# KiCad board Eclipse60 - Copy.kicad_pcb (continued)
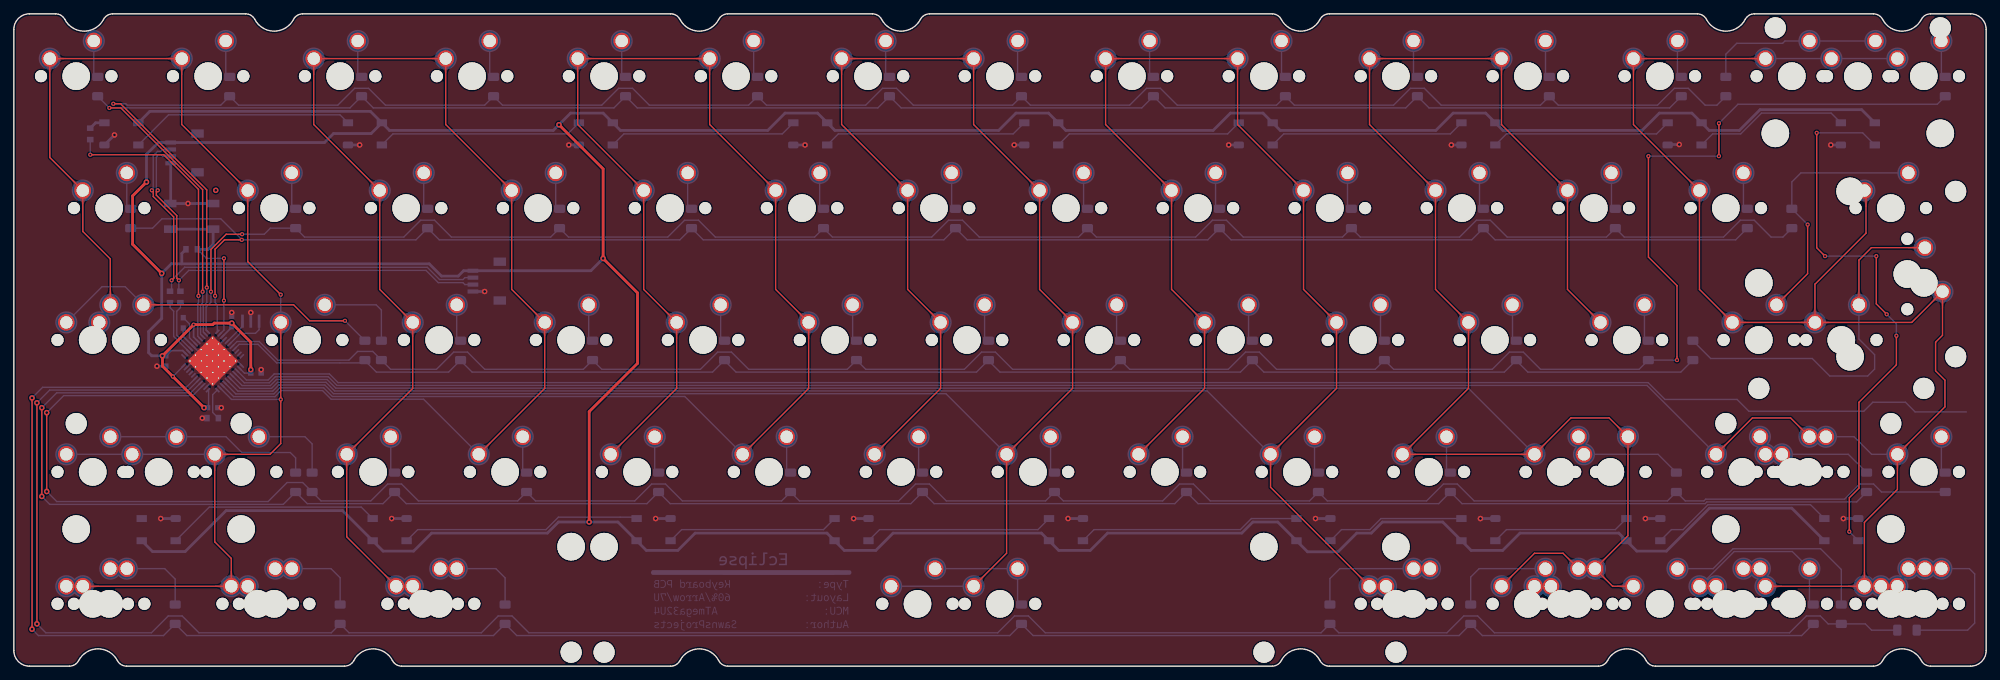
[diagram p0: board, top side]
## Nets (continued)
Net-(RGB10-Pad2): RGB10.2
Net-(RGB10-Pad4): RGB10.4 RGB11.2
Net-(RGB11-Pad4): RGB11.4 RGB12.2
Net-(RGB12-Pad4): RGB12.4 RGB13.2
Net-(RGB13-Pad4): RGB13.4 RGB14.2
Net-(RGB14-Pad4): RGB14.4 RGB15.2
Net-(RGB15-Pad4): RGB15.4 RGB16.2
Net-(RGB16-Pad4): RGB16.4 RGB17.2
Net-(RGB17-Pad4): RGB17.4 RGB18.2
Net-(RGB18-Pad4): RGB9.2 RGB18.4
Net-(U1-Pad1): U1.1
Net-(U1-Pad16): U1.16 Y1.3
Net-(U1-Pad17): U1.17 Y1.1
Net-(U1-Pad20): U1.20
Net-(U1-Pad21): U1.21
Net-(U1-Pad22): U1.22
Net-(U1-Pad25): U1.25
Net-(U1-Pad40): U1.40
Net-(U1-Pad41): U1.41
Net-(U1-Pad42): U1.42

## Via types
v1: diameter 0.8, hole 0.4, Top to Bottom, 44 vias
v2: diameter 0.6, hole 0.3, Top to Bottom, 32 vias

## Routing (per net, layer and track width the routed paths; a pad name or vN(x,y) marks a point on that pad's centre or on a via; arc(x,y) is an arc through that point)
+5V: length 787
  Top w0.4: v1(19.14,69.92) 17.14,67.92 17.14,60.92 v1(21.34,56.72) ; v1(78.68,78.19) 85.06,71.81 v1(85.06,58.87) 90.03,53.91 90.03,43.72 83.05,36.75 v1(83.05,20.82) ; v1(27.45,37.32) v2(22.95,41.82) 21.45,43.32 v1(21.45,44.82) v2(25.95,49.32) 28.7,49.32 28.92,49.54 v1(31.45,49.54) 34.2,46.79 v1(34.2,42.82)
  Bottom w0.2: 28.11,39.94 28.11,37.23 ; C3.2 33.28,42.32 U1.24 ; 24.57,43.48 24.57,43.44 v2(22.95,41.82)
  Bottom w0.25: C5.2 v1(31.45,49.54) ; U1.14 31.45,48.94 ; C2.2 22.7,45.57 24.37,45.57 24.93,45.01 ; 26.69,46.78 25.95,47.53 v2(25.95,49.32)
  Bottom w0.4: 24.24,58.1 59.96,58.1 61.73,56.33 64.14,56.33 64.92,57.1 J1.1 83.29,57.1 v1(85.06,58.87) ; 24.24,58.1 24.24,59.6 R4.1 ; 24.24,58.1 22.73,58.1 v1(21.34,56.72) 21.34,50.21 19.45,48.32 19.45,45.27 19.9,44.82 v1(21.45,44.82) C2.2 ; RGB10.1 20.02,16.55 24.73,16.55 30.64,22.47 47.44,22.47 RGB11.1 53.29,16.62 57.71,16.62 60.31,19.22 77.01,19.22 78.61,20.82 v1(83.05,20.82) 87.19,20.82 RGB12.1 91.29,16.72 95.84,16.72 98.34,19.22 117.37,19.22 RGB13.1 119.87,16.72 124.42,16.72 126.92,19.22 148.33,19.22 RGB14.1 150.83,16.72 155.38,16.72 157.87,19.22 177.25,19.22 178.85,20.82 182.44,20.82 RGB15.1 186.74,16.52 191.14,16.52 193.84,19.22 195.95,19.22 197.55,20.82 206.26,20.82 RGB16.1 210.36,16.72 214.91,16.72 217.41,19.22 231.67,19.22 RGB17.1 234.27,16.62 238.55,16.62 244.75,22.82 256.64,22.82 RGB18.1 ; v1(34.2,42.82) C3.2 ; v1(19.14,69.92) 19.14,73.92 20.84,75.62 J2.1 44.84,75.62 46.14,76.92 51.57,76.92 RGB2.1 ; C4.2 v1(27.45,37.32) ; RGB2.1 51.47,80.12 19.62,80.12 RGB1.1 ; RGB2.1 54.22,77.37 77.86,77.37 v1(78.68,78.19) 80.36,79.87 85.06,79.87 RGB3.1 87.56,77.37 108.82,77.37 111.32,79.87 116.02,79.87 RGB4.1 118.52,77.37 142.16,77.37 144.66,79.87 149.35,79.87 RGB5.1 151.85,77.37 173.11,77.37 175.61,79.87 180.31,79.87 RGB6.1 182.81,77.37 205.26,77.37 207.76,79.87 212.46,79.87 RGB7.1 214.96,77.37 235.03,77.37 237.53,79.87 242.22,79.87 RGB8.1 244.72,77.37 249.07,77.37 252.07,80.37 266.72,80.37 RGB9.1
GND: length 76.3
  Bottom w0.2: U1.43 25.87,44.07 U1.45 ; U1.45 28.7,41.24 U1.35 ; U1.45 32.24,44.07 U1.23 ; U1.45 28.7,45.48 U1.15 ; U1.45 27.99,44.07 U1.5
  Bottom w0.25: 25.99,46.08 24.45,47.61 C1.2
  Bottom w0.3: Y1.2 v1(34.2,51.07) ; C5.1 v1(31.45,51.07)
  Bottom w0.4: RGB9.3 v1(262.28,75.27) ; RGB7.3 v1(207.51,75.27) ; RGB6.3 v1(175.36,75.27) ; RGB5.3 v1(144.4,75.27) ; RGB3.3 v1(80.11,75.27) ; SW1.1 v1(25.14,66.81) SW1.1 ; RGB2.3 v1(49.91,75.27) ; RGB18.3 v1(264.09,21.32) ; RGB17.3 v1(235.52,21.32) ; RGB16.3 v1(211.7,21.32) ; RGB15.3 v1(187.89,21.32) ; RGB14.3 v1(152.17,21.32) ; RGB13.3 v1(121.22,21.32) ; RGB12.3 v1(92.64,21.32) ; RGB10.3 v1(21.2,21.32) ; 238.71,75.33 v1(240.4,75.33) ; RGB4.3 v1(114.21,75.27) ; C2.1 v1(20.65,43.32) ; J2.4 22.64,66.62 ; C4.1 v1(29.95,37.32) ; C3.1 v1(35.7,42.82) ; RGB1.3 v1(14.53,76.72) ; J1.4 v1(67.96,54.1) ; 27.88,35.82 v1(27.2,35.82) ; RGB11.3 v1(54.54,21.32)
(no net):
  vias: v1(29.14,68.72)
/M+: length 7.8
  Bottom w0.2: U1.4 25.53,45.79 23.52,47.8 23.52,51.25 24.04,51.78 R2.1 ; 25.6,45.72 25.63,45.72
/M-: length 8.2
  Bottom w0.2: 25.28,45.4 25.28,45.37 ; U1.3 25.21,45.47 23.07,47.61 23.07,51.25 22.54,51.78 R3.2
C0: length 202.3
  Top w0.2: MX80.1 MX67.1 31.38,15.57 29,17.95 MX50.1 36.97,30.59 38.53,32.15 v2(38.53,38.52) MX34.1 ; MX65.2 13.92,58.8 9.95,62.77 MX17.1 5.19,73.45 MX1.1 MX2.1 24.24,78.21 MX18.1 33.77,58.41 v2(38.53,53.65)
  Bottom w0.2: MX49.1 MX31.1 MX50.1 ; U1.32 31.42,38.52 v2(38.53,38.52) ; MX34.1 v2(38.53,53.65)
C1: length 217
  Top w0.2: MX68.1 48.05,18.68 MX51.1 57.58,40.11 MX35.1 52.82,54.4 52.82,68.69 43.29,78.21 MX3.1 MX4.1 62.34,78.21 MX20.1 71.87,54.4 MX36.1 76.63,40.11 MX52.1
  Bottom w0.2: MX52.1 59.15,38.54 45.81,38.54 44.56,39.79 38.57,39.79 37.69,38.92 31.73,38.92 U1.31
C2: length 232.9
  Top w0.2: MX53.1 95.68,40.11 MX37.1 90.92,54.4 MX21.1 81.39,78.21 MX5.1 MX6.1 100.44,78.21 MX22.1 109.97,54.4 MX38.1 114.73,40.11 MX54.1
  Bottom w0.2: MX54.1 96.85,38.94 45.97,38.94 44.72,40.19 38.4,40.19 37.53,39.32 32.04,39.32 U1.30
C3: length 303.7
  Top w0.2: MX79.1 143.3,16.3 MX56.1 152.83,40.11 MX40.1 148.07,54.4 MX24.1 138.54,78.21 MX8.1 MX7.1 119.49,78.21 MX23.1 129.02,54.4 MX39.1 133.78,40.11 MX55.1
  Bottom w0.2: MX56.1 134.55,39.34 46.14,39.34 44.89,40.59 38.24,40.59 37.36,39.72 32.34,39.72 U1.29 ; MX70.1 MX79.1
C4: length 333.6
  Top w0.2: MX57.1 171.88,40.11 MX41.1 167.12,54.4 MX25.1 157.59,78.21 MX9.1 MX10.1 176.64,78.21 MX26.1 186.17,54.4 MX42.1 190.93,40.11 MX58.1 181.4,25.83 MX16.1
  Bottom w0.2: MX58.1 172.25,39.74 46.31,39.74 45.06,40.99 38.07,40.99 37.2,40.12 32.65,40.12 U1.28
C5: length 401
  Top w0.2: MX32.1 219.5,16.3 223.63,16.3 MX61.2 ; MX44.1 224.27,54.4 MX28.1 214.74,78.21 MX12.1 MX11.1 195.69,78.21 MX27.1 205.22,54.4 MX43.1 209.98,40.11 MX59.1 MX60.1 224.76,35.85 230.28,35.85 MX47.2 233,18.84 MX69.2 230.77,11.54 MX48.1
  Bottom w0.2: U1.27 32.96,40.52 37.03,40.52 37.91,41.39 45.22,41.39 46.47,40.14 209.95,40.14 MX60.1
C6: length 446.6
  Top w0.2: MX14.1 MX13.1 233.79,78.21 MX29.1 243.32,54.4 MX83.1 MX45.1 ; MX45.1 273.95,49.64 MX84.2 278.4,47.77 277.4,46.77 277.4,42.65 278.75,41.3 278.75,37.45 MX63.1 271.89,25.51 267.13,20.75 MX78.1 MX72.1 ; MX45.1 259.98,55.16 267.36,62.53 267.36,68.69 ; MX75.2 256.47,35.85 250.96,35.85 MX62.1
  Bottom w0.2: MX76.2 265.63,33.13 268.17,30.59 MX63.1 ; MX15.1 MX46.1 MX14.1 ; U1.26 33.26,40.92 36.87,40.92 37.74,41.79 45.39,41.79 46.64,40.54 235.74,40.54 MX62.1
D+: length 67.2
  Top w0.2: v2(20.77,68.72) 20.57,68.52 20.57,68.01 23.52,65.06 23.52,56.02 v2(23.82,55.72)
  Bottom w0.2: J2.3 21.48,73.62 21.2,73.89 20.94,73.89 20.57,73.52 20.57,68.92 v2(20.77,68.72) ; R2.2 23.82,54.37 v2(23.82,55.72) 25.25,57.15 59.49,57.15 61.26,55.38 64.83,55.38 65.11,55.1 J1.3
D-: length 69.2
  Top w0.2: v2(22.77,55.72) 23.07,56.02 23.07,64.87 20.12,67.82 20.12,68.52 v2(19.92,68.72)
  Bottom w0.2: J2.2 21.48,74.62 21.2,74.34 20.75,74.34 20.12,73.71 20.12,68.92 v2(19.92,68.72) ; R3.1 22.77,54.37 v2(22.77,55.72) 24.65,57.6 59.68,57.6 61.45,55.83 64.83,55.83 65.11,56.1 J1.2
R0: length 276.9
  Top w0.2: v2(13.78,80.62) 15.44,80.62 27.25,68.81 v2(27.25,54.07)
  Bottom w0.2: D13.1 239.01,80.62 204.28,80.62 D11.1 200.91,80.62 166.18,80.62 D9.1 162.81,80.62 128.08,80.62 D7.1 124.71,80.62 89.98,80.62 D5.1 86.61,80.62 51.88,80.62 D3.1 48.51,80.62 v2(13.78,80.62) D1.1 ; U1.9 26.95,47.94 26.95,52.2 27.25,52.5 v2(27.25,54.07)
R1: length 291.7
  Top w0.2: v2(27.85,54.67) 27.85,68.78 15.41,81.22 v2(14.35,81.22)
  Bottom w0.2: D14.1 245.84,81.02 244.13,81.02 241.7,83.45 239.7,83.45 237.26,81.02 222.93,81.02 D12.1 220.36,81.02 206.03,81.02 203.6,83.45 201.6,83.45 199.16,81.02 184.83,81.02 D10.1 182.26,81.02 167.93,81.02 165.5,83.45 163.5,83.45 161.06,81.02 146.73,81.02 D8.1 144.16,81.02 129.83,81.02 127.4,83.45 125.4,83.45 122.96,81.02 108.63,81.02 D6.1 106.06,81.02 91.73,81.02 89.3,83.45 87.3,83.45 84.86,81.02 70.53,81.02 D4.1 67.96,81.02 53.63,81.02 51.2,83.45 49.2,83.45 46.76,81.02 32.43,81.02 D2.1 29.86,81.02 16.36,81.02 16.16,81.22 v2(14.35,81.22) ; v2(27.85,54.67) 27.85,52.53 27.35,52.03 27.35,48.25 U1.10
R2: length 259.4
  Top w0.2: v2(29.05,53.47) 29.05,60.22 30.4,61.57 v2(32.91,61.57)
  Bottom w0.2: D29.1 248.54,61.57 213.81,61.57 D27.1 210.44,61.57 175.71,61.57 D25.1 172.34,61.57 137.61,61.57 D23.1 134.24,61.57 99.51,61.57 D21.1 96.14,61.57 61.41,61.57 D19.1 58.04,61.57 v2(32.91,61.57) 29.88,64.6 21.38,64.6 20.03,63.25 D17.1 ; v2(29.05,53.47) 29.05,52.52 29.36,52.21 U1.12
R3: length 260.3
  Top w0.2: v2(32.95,62.38) 30.64,62.38 28.45,60.18 v2(28.45,54.07)
  Bottom w0.2: v2(28.45,54.07) 28.45,52.57 27.75,51.87 27.75,48.55 U1.11 ; v2(32.95,62.38) 36.15,62.38 37.03,63.25 D18.1 41.96,61.97 56.29,61.97 58.72,64.4 60.72,64.4 63.16,61.97 77.49,61.97 D20.1 80.06,61.97 94.39,61.97 96.82,64.4 98.82,64.4 101.26,61.97 115.59,61.97 D22.1 118.16,61.97 132.49,61.97 134.92,64.4 136.92,64.4 139.36,61.97 153.69,61.97 D24.1 156.26,61.97 170.59,61.97 173.02,64.4 175.02,64.4 177.46,61.97 191.79,61.97 D26.1 194.36,61.97 208.69,61.97 211.12,64.4 213.12,64.4 215.56,61.97 229.89,61.97 D28.1 232.46,61.97 246.79,61.97 249.22,64.4 251.22,64.4 253.66,61.97 255.37,61.97 D30.1
R4: length 220.5
  Bottom w0.2: 216.86,44.15 218.54,42.47 240.63,42.47 D45.1 ; 64.46,44.15 66.14,42.47 100.85,42.47 D37.1 ; 50.65,44.15 52.33,42.47 62.75,42.47 D35.1 ; 102.56,44.15 104.24,42.47 138.95,42.47 D39.1 ; 140.66,44.15 142.34,42.47 177.05,42.47 D41.1 ; 178.76,44.15 180.44,42.47 215.15,42.47 D43.1 ; U1.19 32.53,46.48 35.24,46.48 37.93,43.79 50.58,43.79
R5: length 307.2
  Top w0.2: v2(240.08,44.2) 240.08,54.95 235.95,59.07 v2(235.95,73.65) ; v2(246.13,78.4) v2(246.13,73.65)
  Bottom w0.2: D15.1 277.65,81.15 248.88,81.15 v2(246.13,78.4) ; U1.18 32.22,46.88 35.41,46.88 38.1,44.19 48.37,44.19 49.63,45.45 51.8,45.45 D34.1 54.39,42.87 61,42.87 63.49,45.35 65.49,45.35 67.97,42.87 82.2,42.87 D36.1 84.87,42.87 99.1,42.87 101.59,45.35 103.59,45.35 106.07,42.87 120.3,42.87 D38.1 122.97,42.87 137.2,42.87 139.69,45.35 141.69,45.35 144.17,42.87 158.4,42.87 D40.1 161.07,42.87 175.3,42.87 177.79,45.35 179.79,45.35 182.27,42.87 196.5,42.87 D42.1 199.17,42.87 213.4,42.87 215.89,45.35 217.89,45.35 220.37,42.87 234.6,42.87 D44.1 v2(240.08,44.2) ; v2(246.13,73.65) v2(235.95,73.65)
R6: length 310.2
  Top w0.2: v1(4.04,37.32) v1(4.04,24.51)
  Bottom w0.2: v1(4.04,24.51) 5.18,23.37 38.89,23.37 D49.1 42.36,23.47 53.28,23.47 D51.1 56.65,23.47 91.38,23.47 D53.1 94.75,23.47 129.48,23.47 D55.1 132.85,23.47 167.58,23.47 D57.1 170.95,23.47 205.68,23.47 D59.1 209.05,23.47 244.13,23.47 244.38,23.72 266.01,23.72 D62.1 ; U1.37 25.51,39.47 6.18,39.47 v1(4.04,37.32)
R7: length 329.4
  Top w0.2: v1(4.74,36.62) v1(4.74,25.22)
  Bottom w0.2: v1(4.74,36.62) 7.2,39.07 25.82,39.07 U1.36 ; D63.1 269.6,25.15 268.45,26.3 266.45,26.3 264.26,24.12 244.21,24.12 243.96,23.87 241.27,23.87 D60.1 238.7,23.87 210.8,23.87 208.36,26.3 206.36,26.3 203.93,23.87 189.6,23.87 D58.1 187.03,23.87 172.7,23.87 170.26,26.3 168.26,26.3 165.83,23.87 151.5,23.87 D56.1 148.93,23.87 134.6,23.87 132.16,26.3 130.16,26.3 127.73,23.87 113.4,23.87 D54.1 110.83,23.87 96.5,23.87 94.06,26.3 92.06,26.3 89.63,23.87 75.3,23.87 D52.1 72.73,23.87 58.4,23.87 55.96,26.3 53.96,26.3 51.53,23.87 44.34,23.87 D50.1 41.69,26.52 39.44,26.52 36.69,23.77 6.19,23.77 v1(4.74,25.22)
R8: length 322
  Top w0.2: v1(2.62,38.74) v1(2.62,5.34)
  Bottom w0.2: v1(2.62,38.74) 4.15,40.27 24.9,40.27 U1.39 ; D71.1 258.06,4.42 211.98,4.42 D68.1 208.61,4.42 147.13,4.42 D69.1 143.76,4.42 72.6,4.42 D67.1 69.23,4.42 24.97,4.42 D65.1 21.6,4.42 3.54,4.42 v1(2.62,5.34)
R9: length 337.7
  Top w0.2: v1(3.33,38.03) v1(3.33,6.1)
  Bottom w0.2: v1(3.33,38.03) 5.17,39.87 25.21,39.87 U1.38 ; v1(3.33,6.1) 4.62,4.82 19.85,4.82 22.29,7.25 24.29,7.25 26.72,4.82 45.82,4.82 D66.1 48.38,4.82 67.48,4.82 69.91,7.25 71.91,7.25 74.35,4.82 142.01,4.82 144.45,7.25 146.45,7.25 148.88,4.82 188.69,4.82 D16.1 191.26,4.82 206.86,4.82 209.3,7.25 211.3,7.25 213.73,4.82 256.31,4.82 258.75,7.25 260.75,7.25 261.9,6.1 D70.1 267.26,6.1 268.16,5.2 D72.1
RGB: length 2.4
  Bottom w0.4: RGB1.4 11.8,78.47 R5.2
Net-(C1-Pad1): length 4.7
  Bottom w0.2: C1.1 25.35,49.42 25.35,47.42 26.34,46.43
Net-(D1-Pad2): length 5.3
  Bottom w0.2: MX1.2 11.54,85.02
Net-(D2-Pad2): length 5.3
  Bottom w0.2: MX2.2 30.59,85.02
Net-(D3-Pad2): length 5.3
  Bottom w0.2: MX3.2 49.64,85.02
Net-(D4-Pad2): length 5.3
  Bottom w0.2: MX4.2 68.69,85.02
Net-(D5-Pad2): length 5.3
  Bottom w0.2: MX5.2 87.74,85.02
Net-(D6-Pad2): length 5.3
  Bottom w0.2: MX6.2 106.79,85.02
Net-(D7-Pad2): length 5.3
  Bottom w0.2: MX7.2 125.84,85.02
Net-(D8-Pad2): length 5.3
  Bottom w0.2: MX8.2 144.89,85.02
Net-(D9-Pad2): length 5.3
  Bottom w0.2: MX9.2 163.94,85.02
Net-(D10-Pad2): length 5.3
  Bottom w0.2: MX10.2 182.99,85.02
Net-(D11-Pad2): length 5.3
  Bottom w0.2: MX11.2 202.04,85.02
Net-(D12-Pad2): length 5.3
  Bottom w0.2: MX12.2 221.09,85.02
Net-(D13-Pad2): length 5.3
  Bottom w0.2: MX13.2 240.14,85.02
Net-(D14-Pad2): length 25.7
  Bottom w0.2: MX46.2 MX14.2 255.65,90.28 255.32,89.95 248.7,89.95 247.13,88.38 D14.2
Net-(D15-Pad2): length 5.3
  Bottom w0.2: MX15.2 278.24,85.02
Net-(D16-Pad2): length 16.4
  Bottom w0.2: MX16.2 191.41,14.08 189.98,12.65 D16.2
Net-(D17-Pad2): length 5.3
  Bottom w0.2: MX17.2 16.3,65.96
Net-(D18-Pad2): length 5
  Bottom w0.2: MX18.2 40.12,66.24
Net-(D19-Pad2): length 5
  Bottom w0.2: MX19.2 59.17,66.24
Net-(D20-Pad2): length 5
  Bottom w0.2: MX20.2 78.22,66.24
Net-(D21-Pad2): length 5
  Bottom w0.2: 97.27,71.23 97.27,66.24
Net-(D22-Pad2): length 5
  Bottom w0.2: MX22.2 116.32,66.24
Net-(D23-Pad2): length 5
  Bottom w0.2: MX23.2 135.37,66.24
Net-(D24-Pad2): length 5
  Bottom w0.2: MX24.2 154.42,66.24
Net-(D25-Pad2): length 5
  Bottom w0.2: MX25.2 173.47,66.24
Net-(D26-Pad2): length 5
  Bottom w0.2: 192.52,71.23 192.52,66.24
Net-(D27-Pad2): length 5
  Bottom w0.2: MX27.2 211.57,66.24
Net-(D28-Pad2): length 5
  Bottom w0.2: 230.62,71.23 230.62,66.24
Net-(D29-Pad2): length 5
  Bottom w0.2: 249.67,71.23 249.67,66.24
Net-(D30-Pad2): length 37.9
  Top w0.2: MX83.2 258.93,56.68 v2(258.93,63.77)
  Bottom w0.2: v2(258.93,63.77) D30.2 256.65,69.92 257.96,71.23 MX30.2
Net-(D33-Pad2): length 48.5
  Top w0.2: MX33.2 40.39,52.18 42.7,49.87 v2(47.8,49.87)
  Bottom w0.2: MX65.1 12.73,54.8 16.06,54.8 MX33.2 ; D33.2 v2(47.8,49.87)
Net-(D34-Pad2): length 12.9
  Bottom w0.2: D34.2 53.05,51.42 52.3,52.18 MX34.2
Net-(D35-Pad2): length 5.1
  Bottom w0.2: MX35.2 63.93,47.03
Net-(D36-Pad2): length 5.1
  Bottom w0.2: MX36.2 82.98,47.03
Net-(D37-Pad2): length 5.1
  Bottom w0.2: MX37.2 102.03,47.03
Net-(D38-Pad2): length 5.1
  Bottom w0.2: MX38.2 121.08,47.03
Net-(D39-Pad2): length 5.1
  Bottom w0.2: MX39.2 140.13,47.03
Net-(D40-Pad2): length 5.1
  Bottom w0.2: MX40.2 159.18,47.03
Net-(D41-Pad2): length 5.1
  Bottom w0.2: MX41.2 178.23,47.03
Net-(D42-Pad2): length 5.1
  Bottom w0.2: MX42.2 197.28,47.03
Net-(D43-Pad2): length 5.1
  Bottom w0.2: MX43.2 216.33,47.03
Net-(D44-Pad2): length 5.1
  Bottom w0.2: MX44.2 235.38,47.03
Net-(D45-Pad2): length 55.7
  Top w0.2: MX45.2 266.33,58.63 268.14,60.43 MX84.1
  Bottom w0.2: D45.2 244.94,44.42 259.6,44.42 262.13,41.9 267.6,41.9 268.6,42.9 268.6,44.97 266.33,47.24 MX45.2
Net-(D49-Pad2): length 30.1
  Bottom w0.2: D49.2 40.67,30.08 39.9,30.85 32.9,30.85 30.62,33.13 MX31.2 MX49.2
Net-(D50-Pad2): length 12.3
  Bottom w0.2: MX50.2 42.02,33.13 43.06,32.09 D50.2
Net-(D51-Pad2): length 5.1
  Bottom w0.2: MX51.2 54.4,28.06
Net-(D52-Pad2): length 5.1
  Bottom w0.2: MX52.2 73.45,28.06
Net-(D53-Pad2): length 5.1
  Bottom w0.2: MX53.2 92.5,28.06
Net-(D54-Pad2): length 5.1
  Bottom w0.2: MX54.2 111.55,28.06
Net-(D55-Pad2): length 5.1
  Bottom w0.2: MX55.2 130.6,28.06
Net-(D56-Pad2): length 5.1
  Bottom w0.2: MX56.2 149.65,28.06
Net-(D57-Pad2): length 5.1
  Bottom w0.2: MX57.2 168.7,28.06
Net-(D58-Pad2): length 5.1
  Bottom w0.2: MX58.2 187.75,28.06
Net-(D59-Pad2): length 5.1
  Bottom w0.2: MX59.2 206.8,28.06
Net-(D60-Pad2): length 14.4
  Bottom w0.2: D60.2 237.34,30.59 MX47.1
Net-(D62-Pad2): length 13.3
  Bottom w0.2: MX76.1 264.81,30.59 D62.2
Net-(D63-Pad2): length 5.2
  Bottom w0.2: MX63.2 278.24,27.92
Net-(D65-Pad2): length 11.3
  Bottom w0.2: MX80.2 21.78,14.08 23.29,12.57 D65.2
Net-(D66-Pad2): length 11.4
  Bottom w0.2: D66.2 47.1,12.76 45.78,14.08 MX82.2
Net-(D67-Pad2): length 11.4
  Bottom w0.2: MX81.2 69.58,14.08 70.91,12.75 D67.2
Net-(D68-Pad2): length 15.3
  Bottom w0.2: D68.2 210.3,12.87 211.51,14.08 MX32.2
Net-(D69-Pad2): length 17.2
  Bottom w0.2: MX70.2 MX79.2 144.89,8.77
Net-(D70-Pad2): length 31.1
  Bottom w0.2: MX48.2 245.29,14.08 248.16,16.95 260.8,16.95 263.79,13.96 D70.2
Net-(D71-Pad2): length 24.2
  Bottom w0.2: 259.19,8.84 MX72.2 256.72,16.55 248.33,16.55 MX77.1
Net-(D72-Pad2): length 21
  Bottom w0.2: MX73.2 282.28,14.08 283.04,13.32 283.04,6.22 282.03,5.2 D72.2
Net-(R1-Pad2): length 4.7
  Bottom w0.2: R1.2 28.7,36.64 28.7,39.21 U1.33
Net-(R4-Pad2): length 26.6
  Top w0.2: v2(30.33,52.78) v2(30.33,58.9)
  Bottom w0.2: R4.2 27.79,58.9 v2(30.33,58.9) ; v2(30.33,52.78) 30.33,48.52 U1.13
  Bottom w0.4: R4.2 28.05,60.2 28.77,60.92 SW1.2 SW1.2
Net-(R5-Pad1): length 41.7
  Top w0.2: v2(26.65,53.47) 26.65,68.84 21.64,73.85 v2(11.03,73.85)
  Bottom w0.2: R5.1 v2(11.03,73.85) ; v2(26.65,53.47) 26.65,52.47 26.55,52.37 26.55,47.63 U1.8
Net-(RGB1-Pad2): length 32.5
  Bottom w0.2: RGB2.4 47.07,79.62 22.32,79.62 RGB1.2
Net-(RGB2-Pad2): length 29.8
  Bottom w0.2: RGB3.4 79.96,76.87 54.72,76.87 RGB2.2
Net-(RGB3-Pad2): length 27.4
  Bottom w0.2: RGB3.2 88.06,76.87 110.92,76.87 RGB4.4
Net-(RGB4-Pad2): length 29.8
  Bottom w0.2: RGB5.4 144.25,76.87 119.02,76.87 RGB4.2
Net-(RGB5-Pad2): length 27.4
  Bottom w0.2: RGB6.4 175.21,76.87 152.35,76.87 RGB5.2
Net-(RGB6-Pad2): length 28.6
  Bottom w0.2: RGB7.4 207.36,76.87 183.31,76.87 RGB6.2
Net-(RGB7-Pad2): length 26.2
  Bottom w0.2: RGB8.4 237.12,76.87 215.46,76.87 RGB7.2
Net-(RGB8-Pad2): length 22.6
  Bottom w0.2: RGB8.2 245.22,76.87 249.28,76.87 252.28,79.87 262.33,79.87 RGB9.4
Net-(RGB10-Pad4): length 31.1
  Bottom w0.2: RGB11.2 50.14,22.97 28.21,22.97 RGB10.4
Net-(RGB11-Pad4): length 34.1
  Bottom w0.2: 89.35,21.52 78.61,21.52 76.81,19.72 58.29,19.72 RGB11.4
Net-(RGB12-Pad4): length 25
  Bottom w0.2: RGB13.2 116.87,19.72 96.39,19.72 RGB12.4
Net-(RGB13-Pad4): length 27.4
  Bottom w0.2: RGB14.2 147.83,19.72 124.97,19.72 RGB13.4
Net-(RGB14-Pad4): length 32.1
  Bottom w0.2: RGB14.4 155.93,19.72 177.04,19.72 178.64,21.32 RGB15.2
Net-(RGB15-Pad4): length 20.2
  Bottom w0.2: RGB15.4 191.64,19.72 195.74,19.72 197.34,21.32 RGB16.2
Net-(RGB16-Pad4): length 20.2
  Bottom w0.2: RGB16.4 215.46,19.72 231.17,19.72 RGB17.2
Net-(RGB17-Pad4): length 26.7
  Bottom w0.2: RGB18.2 259.34,23.32 244.54,23.32 240.94,19.72 239.27,19.72 RGB17.4
Net-(RGB18-Pad4): length 80.5
  Top w0.2: v2(271.74,47.72) 271.74,43.52 266.34,38.12 266.34,25.72 264.94,24.32 v2(264.94,19.42) ; v2(268.84,59.22) 268.84,52.32 v2(270.34,50.82) ; v2(260.24,77.02) 260.24,60.42 v2(261.44,59.22)
  Bottom w0.2: v2(270.34,50.82) 271.74,49.42 v2(271.74,47.72) ; RGB9.2 266.88,77.02 v2(260.24,77.02) ; v2(261.44,59.22) v2(268.84,59.22) ; RGB18.4 v2(264.94,19.42)
Net-(U1-Pad16): length 3.9
  Bottom w0.2: U1.16 33,49.08 Y1.3
Net-(U1-Pad17): length 6.4
  Bottom w0.2: U1.17 32.7,48.07 34.88,48.07 35.4,48.59 Y1.1
Net-(U1-Pad25): length 253.9
  Bottom w0.2: U1.25 33.57,41.32 36.7,41.32 37.57,42.19 45.55,42.19 46.8,40.94 235.91,40.94 238.34,38.52 248.74,38.52 250.44,36.82 267.04,36.82 268.34,38.12 273.04,38.12 274.44,36.72 281.84,36.72

## Copper pours and planes (outline as drawn; the poured copper is in the pictures)
+5V on Bottom: 209.8,17.56 209.43,18.28 208.78,18.29 208.79,17.64 209.51,17.27
+5V on Bottom: 242.78,79.02 243.15,78.3 243.8,78.29 243.79,78.94 243.06,79.31
+5V on Bottom: 119.31,17.56 118.94,18.28 118.29,18.29 118.3,17.64 119.03,17.27
+5V on Bottom: 180.87,79.02 181.24,78.3 181.89,78.29 181.87,78.94 181.15,79.31
+5V on Bottom: 149.91,79.02 150.28,78.3 150.93,78.29 150.92,78.94 150.19,79.31
+5V on Bottom: 244.46,77.91 244.09,78.63 243.45,78.64 243.46,77.99 244.18,77.62
+5V on Bottom: 116.57,79.02 116.94,78.3 117.59,78.29 117.58,78.94 116.86,79.31
+5V on Bottom: 213.01,79.02 213.38,78.3 214.03,78.29 214.02,78.94 213.3,79.31
+5V on Bottom: 52.28,79.02 52.65,78.3 53.3,78.29 53.29,78.94 52.56,79.31
+5V on Bottom: 267.78,79.02 268.15,78.3 268.8,78.29 268.79,78.94 268.07,79.31
+5V on Bottom: 53.96,77.91 53.59,78.63 52.95,78.64 52.96,77.99 53.68,77.62
+5V on Bottom: 85.62,79.02 85.99,78.3 86.64,78.29 86.62,78.94 85.9,79.31
+5V on Bottom: 52.64,17.56 52.27,18.28 51.62,18.29 51.63,17.64 52.35,17.27
+5V on Bottom: 89.05,18.67 89.42,17.95 90.07,17.94 90.06,18.59 89.34,18.96
+5V on Bottom: 50.95,18.67 51.32,17.95 51.97,17.94 51.96,18.59 51.24,18.96
+5V on Bottom: 19.3,17.56 18.93,18.28 18.28,18.29 18.29,17.64 19.01,17.27
+5V on Bottom: 90.74,17.56 90.37,18.28 89.72,18.29 89.73,17.64 90.45,17.27
+5V on Bottom: 117.63,18.67 118,17.95 118.65,17.94 118.63,18.59 117.91,18.96
+5V on Bottom: 233.61,17.56 233.24,18.28 232.59,18.29 232.6,17.64 233.33,17.27
+5V on Bottom: 148.58,18.67 148.95,17.95 149.6,17.94 149.59,18.59 148.87,18.96
+5V on Bottom: 214.7,77.91 214.33,78.63 213.68,78.64 213.69,77.99 214.41,77.62
+5V on Bottom: 182.55,77.91 182.18,78.63 181.53,78.64 181.55,77.99 182.27,77.62
+5V on Bottom: 118.26,77.91 117.89,78.63 117.24,78.64 117.25,77.99 117.97,77.62
+5V on Bottom: 151.59,77.91 151.23,78.63 150.58,78.64 150.59,77.99 151.31,77.62
+5V on Bottom: 87.3,77.91 86.93,78.63 86.28,78.64 86.3,77.99 87.02,77.62
+5V on Bottom: 184.3,18.67 184.67,17.95 185.32,17.94 185.31,18.59 184.59,18.96
+5V on Bottom: 150.27,17.56 149.9,18.28 149.25,18.29 149.26,17.64 149.98,17.27
+5V on Bottom: 208.11,18.67 208.48,17.95 209.13,17.94 209.12,18.59 208.4,18.96
+5V on Bottom: 185.99,17.56 185.62,18.28 184.97,18.29 184.98,17.64 185.7,17.27
+5V on Bottom: 231.93,18.67 232.3,17.95 232.95,17.94 232.93,18.59 232.21,18.96
+5V on Bottom: 260.5,18.67 260.87,17.95 261.52,17.94 261.51,18.59 260.79,18.96
+5V on Bottom: 52.56,77.62 53.29,77.99 53.3,78.64 52.65,78.63 52.28,77.91
+5V on Bottom: 18.53,79.31 17.81,78.94 17.8,78.29 18.45,78.3 18.82,79.02
GND on Top: 308.43,-1.43 -3.82,-1.43 -3.82,96.32 308.43,96.32
GND on Bottom: 55.7,21.12 56.48,20.87 56.94,21.32 56.48,21.77 55.7,21.52
GND on Bottom: 22.44,67.71 22.13,67.14 22.52,66.54 23.1,66.95 22.84,67.71
GND on Bottom: 13.63,76.11 12.91,75.74 12.9,75.09 13.55,75.1 13.92,75.82
GND on Bottom: 239.7,75.53 238.88,75.74 238.47,75.23 239,74.85 239.7,75.13
GND on Bottom: 265.25,21.12 266.03,20.87 266.49,21.32 266.03,21.77 265.25,21.52
GND on Bottom: 189.05,21.12 189.83,20.87 190.29,21.32 189.83,21.77 189.05,21.52
GND on Bottom: 212.87,21.12 213.64,20.87 214.11,21.32 213.64,21.77 212.87,21.52
GND on Bottom: 236.68,21.12 237.45,20.87 237.92,21.32 237.45,21.77 236.68,21.52
GND on Bottom: 175.82,75.07 176.59,74.82 177.06,75.27 176.59,75.72 175.82,75.47
GND on Bottom: 144.86,75.07 145.64,74.82 146.1,75.27 145.64,75.72 144.86,75.47
GND on Bottom: 80.57,75.07 81.34,74.82 81.81,75.27 81.34,75.72 80.57,75.47
GND on Bottom: 24.93,42.98 24.98,43.03 25.04,43.08 25.1,43.12 25.16,43.15 25.22,43.18 25.29,43.2 25.35,43.22 25.41,43.23 25.48,43.24 25.54,43.24 25.6,43.24 25.66,43.23 25.73,43.23 25.79,43.21 25.85,43.2 25.91,43.18 25.96,43.15 26.02,43.13 26.07,43.1 26.12,43.07 26.18,43.04 26.22,43.01 26.27,42.98 26.31,42.94 26.35,42.91 26.39,42.87 26.42,42.84 26.45,42.8 26.48,42.77 26.5,42.73 29.99,44.07 26.5,45.41 25.77,44.26 25.72,44.19 25.66,44.11 25.6,44.03 25.53,43.95 25.46,43.86 25.39,43.78 25.31,43.69 25.24,43.6 25.15,43.51 25.07,43.42 24.98,43.32 24.88,43.22 24.78,43.12
GND on Bottom: 25.85,46.08 25.89,46.02 25.94,45.97 25.98,45.92 26.02,45.87 26.05,45.81 26.08,45.76 26.11,45.7 26.13,45.65 26.16,45.59 26.17,45.54 26.19,45.48 26.2,45.43 26.22,45.38 26.2,44.68 29.77,43.35 27.18,46.15 26.59,45.98 26.55,45.98 26.5,45.98 26.45,45.99 26.4,45.99 26.35,46.01 26.31,46.02 26.26,46.04 26.21,46.06 26.16,46.08 26.12,46.11 26.07,46.14 26.03,46.18 25.99,46.22
GND on Bottom: 153.34,21.12 154.11,20.87 154.58,21.32 154.11,21.77 153.34,21.52
GND on Bottom: 122.38,21.12 123.15,20.87 123.62,21.32 123.15,21.77 122.38,21.52
GND on Bottom: 93.8,21.12 94.58,20.87 95.04,21.32 94.58,21.77 93.8,21.52
GND on Bottom: 49.21,75.47 48.44,75.72 47.97,75.27 48.44,74.82 49.21,75.07
GND on Bottom: 22.37,21.12 23.14,20.87 23.61,21.32 23.14,21.77 22.37,21.52
GND on Bottom: 262.74,75.07 263.51,74.82 263.98,75.27 263.51,75.72 262.74,75.47
GND on Bottom: 207.97,75.07 208.74,74.82 209.21,75.27 208.74,75.72 207.97,75.47
GND on Bottom: 27.75,40.15 27.85,40.25 27.95,40.35 28.05,40.44 28.14,40.52 28.23,40.61 28.32,40.68 28.41,40.76 28.49,40.83 28.58,40.9 28.66,40.96 28.74,41.03 28.82,41.09 28.9,41.14 30.04,41.87 28.7,45.36 27.36,41.87 27.4,41.85 27.43,41.82 27.47,41.79 27.5,41.76 27.54,41.72 27.57,41.68 27.61,41.64 27.64,41.59 27.67,41.54 27.7,41.49 27.73,41.44 27.76,41.39 27.78,41.33 27.81,41.27 27.83,41.22 27.84,41.16 27.86,41.09 27.87,41.03 27.87,40.97 27.87,40.91 27.87,40.84 27.86,40.78 27.85,40.72 27.84,40.65 27.81,40.59 27.79,40.53 27.75,40.47 27.71,40.41 27.67,40.35 27.61,40.29
GND on Bottom: 23.66,67.01 22.81,67.3 22.29,66.81 22.81,66.31 23.66,66.61
GND on Bottom: 27.68,66.61 28.53,66.31 29.04,66.81 28.53,67.3 27.68,67.01
GND on Bottom: 113.51,75.47 112.73,75.72 112.27,75.27 112.73,74.82 113.51,75.07
GND on Bottom: 32.97,43.48 32.88,43.56 32.8,43.64 32.72,43.71 32.63,43.79 32.55,43.86 32.46,43.92 32.38,43.99 32.3,44.05 32.22,44.1 31.36,44.69 31.32,44.73 31.27,44.76 31.24,44.8 31.2,44.83 31.17,44.87 31.15,44.9 31.13,44.94 31.11,44.98 27.41,44.07 31.11,43.16 31.12,43.19 31.14,43.22 31.17,43.25 31.19,43.28 31.23,43.31 31.27,43.34 31.31,43.37 31.36,43.4 31.41,43.43 31.46,43.46 31.52,43.49 31.58,43.51 31.64,43.54 31.71,43.56 31.78,43.58 31.85,43.59 31.92,43.6 31.99,43.61 32.06,43.62 32.13,43.62 32.21,43.62 32.28,43.61 32.35,43.6 32.42,43.58 32.5,43.55 32.57,43.52 32.63,43.49 32.7,43.44 32.77,43.39 32.83,43.34
GND on Bottom: 30.35,47.28 30.29,47.22 30.22,47.16 30.16,47.1 30.09,47.05 30.03,47.01 29.96,46.97 29.9,46.93 29.83,46.89 29.77,46.86 29.7,46.83 29.64,46.8 29.58,46.78 29.51,46.76 29.45,46.74 29.39,46.72 29.33,46.71 28.66,46.64 28.21,42.88 30.53,45.88 30.28,46.4 30.28,46.45 30.27,46.5 30.27,46.55 30.27,46.6 30.27,46.65 30.28,46.7 30.28,46.75 30.3,46.8 30.31,46.85 30.33,46.9 30.36,46.95 30.38,47 30.42,47.04 30.45,47.09 30.49,47.14
C0 on Top: 5.29,85.35 5.29,85.45 5.3,85.55 5.31,85.64 5.32,85.72 5.33,85.8 5.35,85.87 5.37,85.94 5.4,86 5.42,86.06 5.45,86.11 5.48,86.17 5.52,86.22 5.55,86.27 5.59,86.32 5.97,86.74 6.01,86.8 6.06,86.86 6.1,86.92 6.14,86.99 6.19,87.06 6.23,87.14 6.27,87.22 5.19,88.34 4.11,87.22 4.15,87.14 4.19,87.06 4.24,86.99 4.28,86.92 4.32,86.86 4.37,86.8 4.41,86.74 4.79,86.32 4.83,86.27 4.86,86.22 4.9,86.17 4.93,86.11 4.96,86.06 4.98,86 5.01,85.94 5.03,85.87 5.05,85.8 5.06,85.72 5.07,85.64 5.08,85.55 5.09,85.45 5.09,85.35
C0 on Top: 8.19,70.31 8.26,70.24 8.33,70.16 8.38,70.1 8.43,70.03 8.48,69.96 8.51,69.9 8.55,69.84 8.57,69.77 8.6,69.71 8.62,69.65 8.63,69.59 8.65,69.53 8.66,69.47 8.66,69.42 8.7,68.85 8.71,68.77 8.72,68.7 8.73,68.63 8.75,68.55 8.77,68.47 8.79,68.38 8.82,68.3 10.38,68.27 10.35,69.82 10.26,69.85 10.18,69.88 10.09,69.9 10.02,69.91 9.94,69.93 9.87,69.94 9.8,69.94 9.23,69.98 9.17,69.99 9.11,70 9.05,70.01 8.99,70.03 8.93,70.04 8.87,70.07 8.81,70.1 8.74,70.13 8.68,70.17 8.61,70.21 8.55,70.26 8.48,70.32 8.41,70.38 8.33,70.45
